# Altium PCB BTF16_2 (2).PcbDoc (part 4 of 4)
Units mm, origin at the board's own origin, x right, y up, seen from the top; angles counter-clockwise.
Board outline 150 x 212.5 mm, 4 copper layers (L1, L2, L3, L4), stack 1.606 mm thick; 313 components, 136 nets, 1767 pads, 1746 vias.
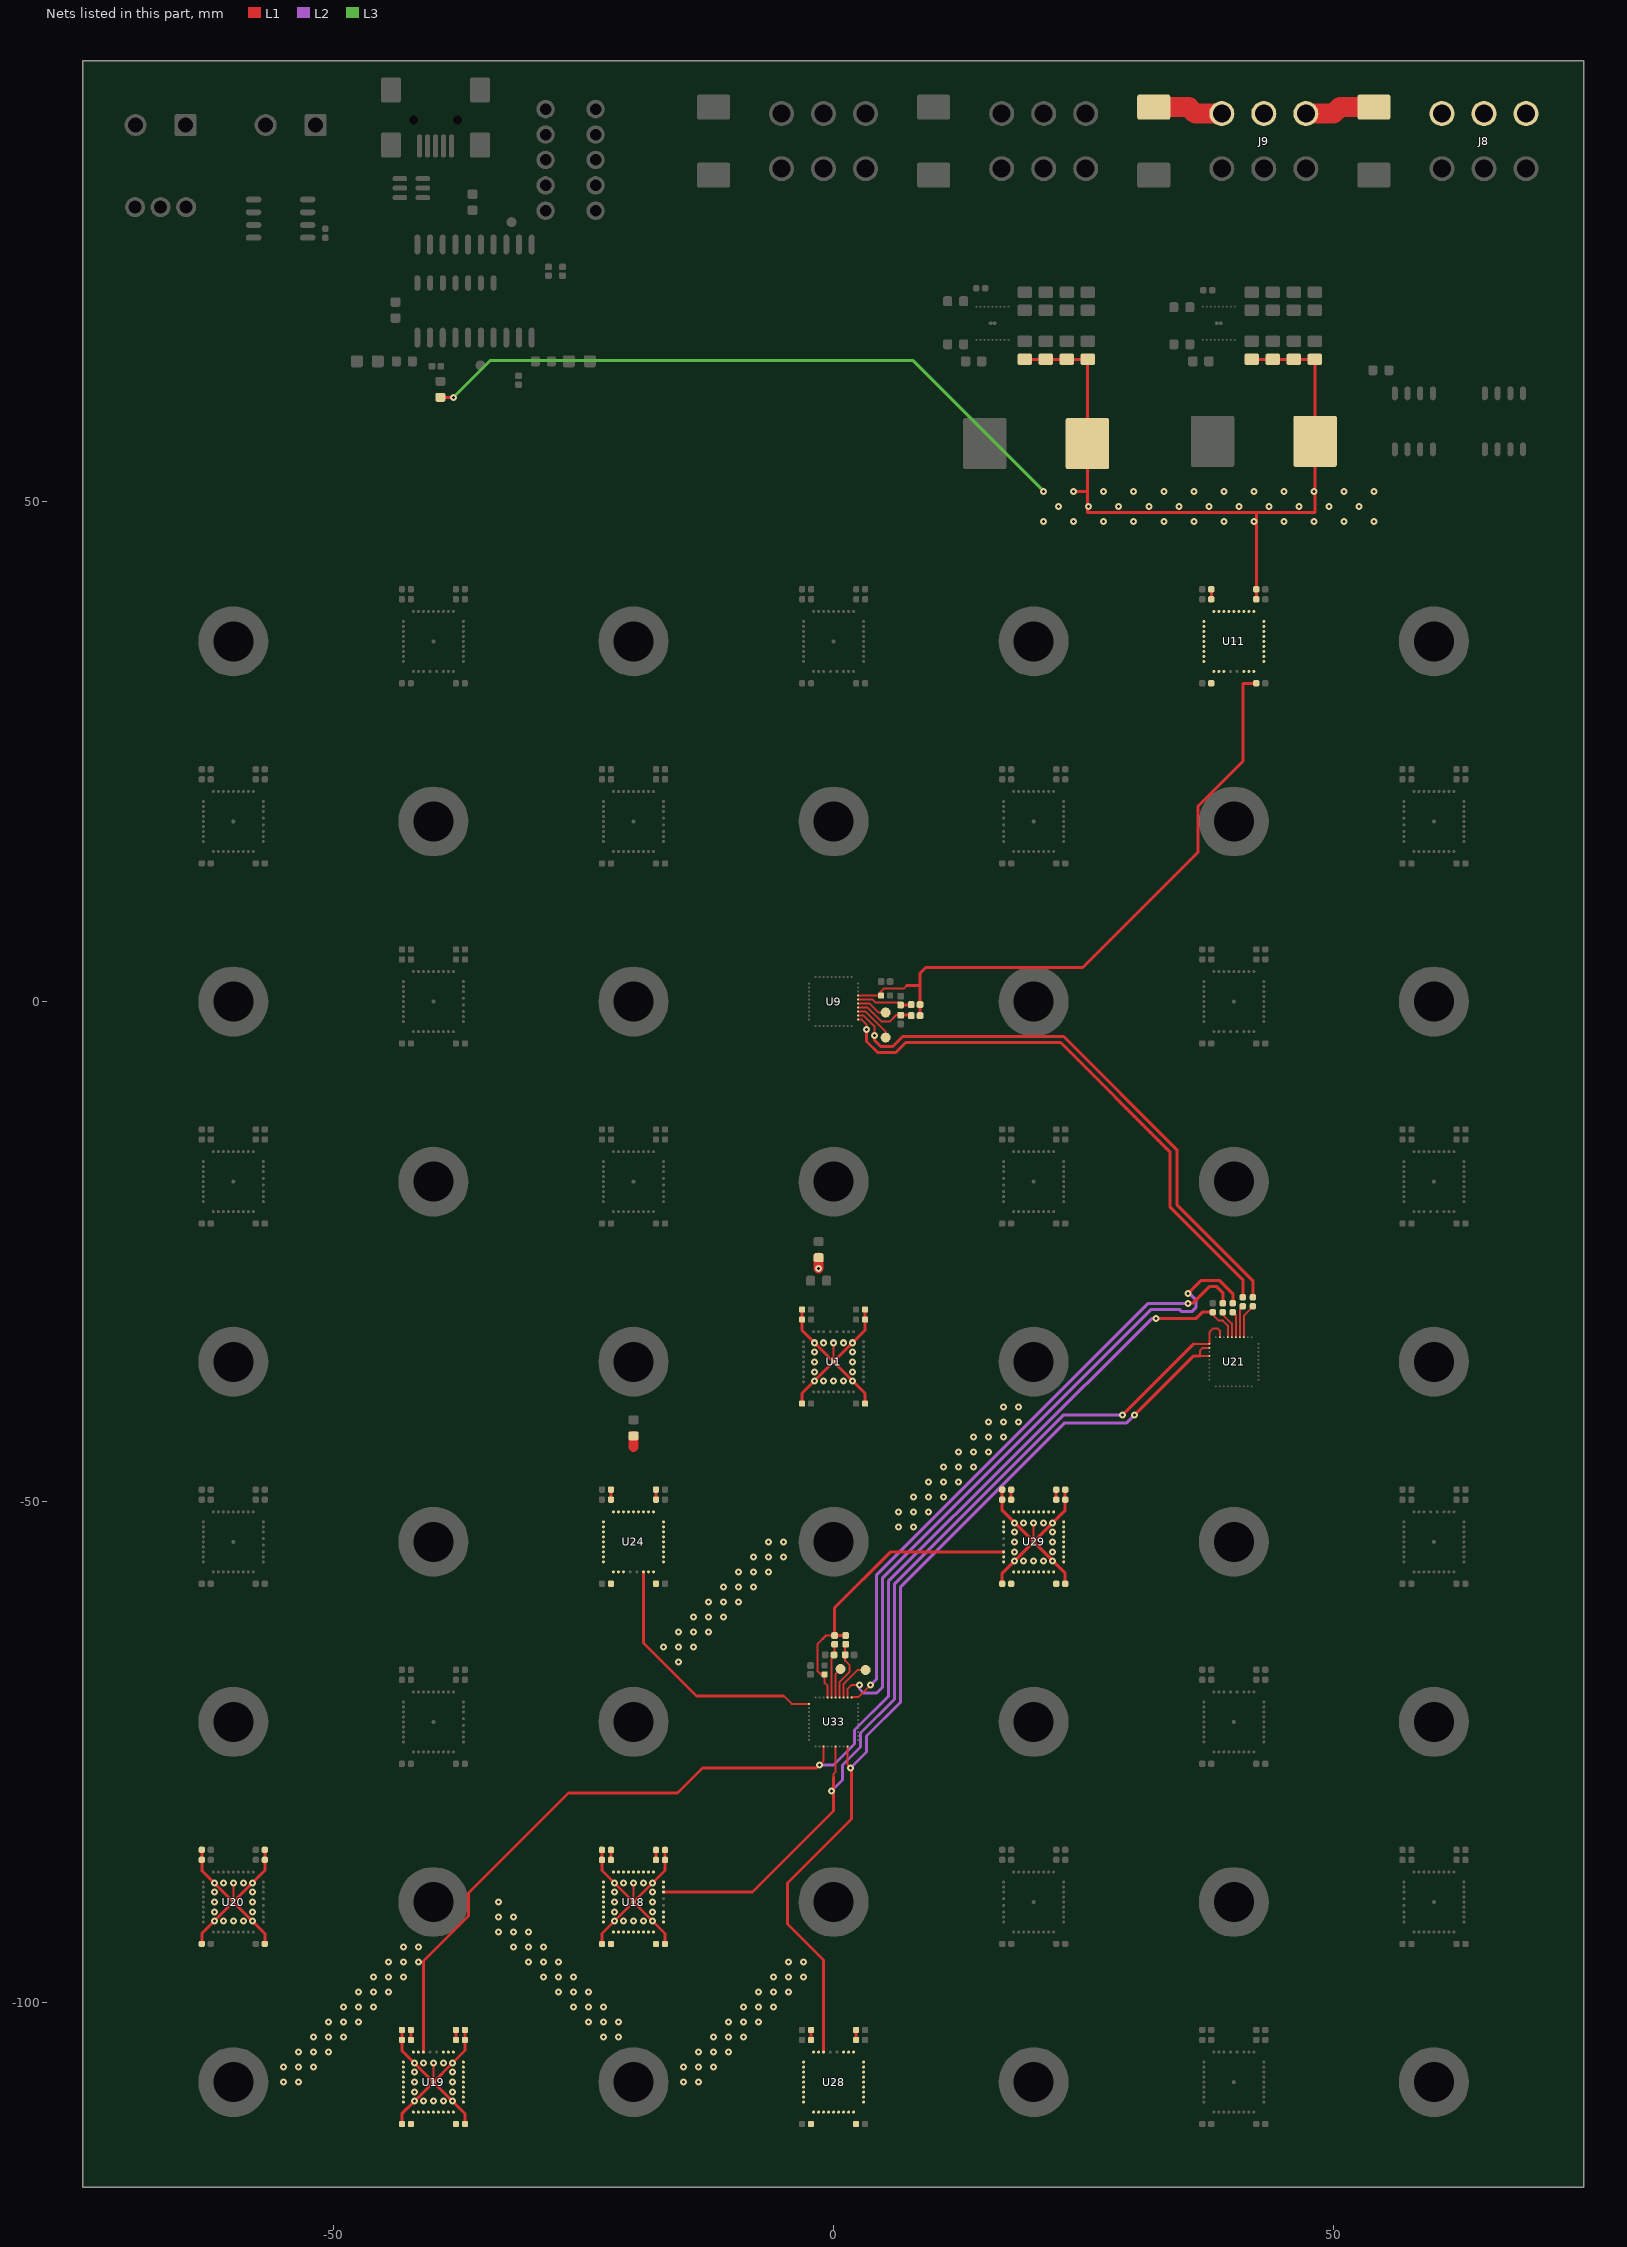
[diagram p6: the nets of this part, all layers, seen from the top]

## Via types
v1: diameter 0.7/0.7/0.7/0.7 (per signal layer), hole 0.3, L1 to L4, 1746 vias

## Nets (pads, with @x,y where several pads share a name; then routed paths per layer and width w, separated by ;. In a path a pad name is that pad's centre, name@x,y a point inside that pad or via, vN(x,y) a via of type N, cw(c..) or ccw(c..) an arc to the next point about the centre after c; other vN are vias at no path point) (continued)
PWR9: C99.2 C100.2 C101.2 C114.2 C115.2 C116.2 C148.1 C149.1 C150.1 C160.1 C161.1 C162.1 U18.36 U21.22 U21.24 U28.1 U28.2 U28.3 U28.4 U28.5 U28.6 U28.7 U28.8 U28.9 U28.10 U28.11 U28.12 U28.13 U28.14 U28.15 U28.16 U28.17 U28.18 U28.19 U28.20 U28.21 U28.24 U28.25 U28.26 U28.27 U28.28 U28.29 U28.30 U28.31 U28.32 U28.33 U28.34 U28.35 U33.39 | length 124.9
  L1 w0.2: U18.36@-20,-90 v1(-20,-88.1) ; U33.39@1.4,-74.45 1.4,-76.3 v1(1.7,-76.6) ; U21.24@37.55,-35.4 36.6,-35.4 36.6,-34.9 36.9,-34.6 U21.22@37.55,-34.6
  L1 w0.3: C99.2@-23.151,-94.184 -23.151,-93.151 v1(-21.9,-91.9) U18.36@-20,-90 ; C100.2@-23.151,-84.784 -23.151,-86.849 v1(-21.9,-88.1) U18.36@-20,-90 ; C116.2@-16.851,-94.184 -16.851,-93.149 v1(-18.1,-91.9) U18.36@-20,-90 ; C101.2@-16.851,-84.784 C114.2@-16.851,-85.784 -16.851,-86.851 v1(-18.1,-88.1) U18.36@-20,-90 ; U28.24@-1,-105 -1,-95.8 -4.6,-92.2 -4.6,-88.1 1.8,-81.7 1.8,-76.7 v1(1.7,-76.6) ; v1(30.1,-41.3) 36,-35.4 36.6,-35.4
  L1 w0.305: C161.1@-2.251,-103.784 C149.1@-2.251,-102.784 ; C160.1@2.249,-103.784 C150.1@2.249,-102.784
  L2 w0.3: v1(1.7,-76.6) 3.3,-75 3.3,-73.4 6.7,-70 6.7,-58.5 23.1,-42.1 29.3,-42.1 v1(30.1,-41.3)
  other v1: -15,-108 -13.5,-108 -15,-106.5 -13.5,-106.5 -12,-106.5 -13.5,-105 -12,-105 -10.5,-105 -12,-103.5 -10.5,-103.5 -9,-103.5 -10.5,-102 -9,-102 -7.5,-102 -9,-100.5 -7.5,-100.5 -6,-100.5 -7.5,-99 -6,-99 -4.5,-99 -6,-97.5 -4.5,-97.5 -3,-97.5 -4.5,-96 -3,-96 -21,-91.9 -20,-91.9 -19,-91.9 -21.9,-91 -18.1,-91 -21.9,-90 -18.1,-90 -21.9,-89 -18.1,-89 -21,-88.1 -19,-88.1
PWR10: C99.1 C100.1 C101.1 C102.2 C103.2 C104.2 C114.1 C115.1 C116.1 C117.2 C118.2 C119.2 U18.1 U18.2 U18.3 U18.4 U18.5 U18.6 U18.7 U18.8 U18.9 U18.10 U18.11 U18.12 U18.13 U18.14 U18.15 U18.16 U18.17 U18.18 U18.19 U18.20 U18.21 U18.24 U18.25 U18.26 U18.27 U18.28 U18.29 U18.30 U18.31 U18.32 U18.33 U18.34 U18.35 U19.36 U21.19 U21.21 U33.36 | length 122.8
  L1 w0.2: U19.36@-40,-108 v1(-40,-106.1) ; 0,-77.5 0,-77.2 0.2,-77 U33.36@0.2,-74.45 ; 36,-34.2 U21.21@37.55,-34.2 37.55,-33.05 37.9,-32.7 38.4,-32.7 38.6,-32.9 U21.19@38.6,-33.55
  L1 w0.3: C102.2@-43.151,-112.184 -43.151,-111.151 v1(-41.9,-109.9) U19.36@-40,-108 ; C103.2@-43.151,-102.784 C118.2@-43.151,-103.784 -43.151,-104.849 U19.36@-40,-108 ; C119.2@-36.851,-112.184 -36.851,-111.149 U19.36@-40,-108 ; C104.2@-36.851,-102.784 -36.851,-104.851 v1(-38.1,-106.1) U19.36@-40,-108 ; U18.24@-17,-89 -8.1,-89 0,-80.9 v1@0,-78.9 ; v1(-0.2,-78.9) v1@0,-78.9 ; 0,-77.5 v1@0,-78.9 ; v1(28.9,-41.3) 36,-34.2
  L1 w0.305: C115.1@-22.251,-85.784 C100.1@-22.251,-84.784 ; C114.1@-17.751,-85.784 C101.1@-17.751,-84.784
  L2 w0.3: v1(-0.2,-78.9) 0.9,-77.8 0.9,-76.3 2.7,-74.5 2.7,-73.1 6.1,-69.7 6.1,-58.2 23,-41.3 v1(28.9,-41.3)
  other v1: -41,-109.9 -40,-109.9 -39,-109.9 -38.1,-109.9 -41.9,-109 -38.1,-109 -41.9,-108 -38.1,-108 -41.9,-107 -38.1,-107 -41.9,-106.1 -41,-106.1 -39,-106.1 -23,-103.5 -21.5,-103.5 -24.5,-102 -23,-102 -21.5,-102 -26,-100.5 -24.5,-100.5 -23,-100.5 -27.5,-99 -26,-99 -24.5,-99 -29,-97.5 -27.5,-97.5 -26,-97.5 -30.5,-96 -29,-96 -27.5,-96 -32,-94.5 -30.5,-94.5 -29,-94.5 -33.5,-93 -32,-93 -30.5,-93 -33.5,-91.5 -32,-91.5 -33.5,-90
PWR11: C102.1 C103.1 C104.1 C105.2 C106.2 C107.2 C117.1 C118.1 C119.1 C120.1 C121.2 C122.2 C123.2 U19.1 U19.2 U19.3 U19.4 U19.5 U19.6 U19.7 U19.8 U19.9 U19.10 U19.11 U19.12 U19.13 U19.14 U19.15 U19.16 U19.17 U19.18 U19.19 U19.20 U19.21 U19.24 U19.25 U19.26 U19.27 U19.28 U19.29 U19.30 U19.31 U19.32 U19.33 U19.34 U19.35 U20.36 U21.17 U33.33 | length 157
  L1 w0.2: U20.36@-60,-90 v1(-60,-88.1) ; v1(-1.4,-76.3) -1,-75.9 U33.33@-1,-74.45 ; C120.1@37.9,-31.05 37.9,-31.3 38.5,-31.9 38.9,-31.9 39.4,-32.4 U21.17@39.4,-33.55
  L1 w0.3: C105.2@-63.151,-94.184 -63.151,-93.151 U20.36@-60,-90 ; C106.2@-63.151,-84.784 C122.2@-63.151,-85.784 -63.151,-86.849 v1(-61.9,-88.1) U20.36@-60,-90 ; C123.2@-56.851,-94.184 -56.851,-93.149 v1(-58.1,-91.9) U20.36@-60,-90 ; C107.2@-56.851,-84.784 C121.2@-56.851,-85.784 -56.851,-86.851 U20.36@-60,-90 ; U19.24@-41,-105 -41,-95.9 -36.5,-91.4 -36.5,-89.1 -26.5,-79.1 -15.6,-79.1 -13.1,-76.6 -1.7,-76.6 v1(-1.4,-76.3) ; v1(32.2,-31.7) 36.2,-31.7 36.85,-31.05 C120.1@37.9,-31.05
  L1 w0.305: C118.1@-42.251,-103.784 C103.1@-42.251,-102.784 ; C117.1@-37.751,-103.784 C104.1@-37.751,-102.784
  L2 w0.3: v1(-1.4,-76.3) 0,-76.3 2.1,-74.2 2.1,-72.8 5.5,-69.4 5.5,-57.9 31.8,-31.7 v1(32.2,-31.7)
  other v1: -55,-108 -53.5,-108 -55,-106.5 -53.5,-106.5 -52,-106.5 -53.5,-105 -52,-105 -50.5,-105 -52,-103.5 -50.5,-103.5 -49,-103.5 -50.5,-102 -49,-102 -47.5,-102 -49,-100.5 -47.5,-100.5 -46,-100.5 -47.5,-99 -46,-99 -44.5,-99 -46,-97.5 -44.5,-97.5 -43,-97.5 -44.5,-96 -43,-96 -41.5,-96 -43,-94.5 -41.5,-94.5 -61.9,-91.9 -61,-91.9 -60,-91.9 -59,-91.9 -61.9,-91 -58.1,-91 -61.9,-90 -58.1,-90 -61.9,-89 -58.1,-89 -61,-88.1 -59,-88.1 -58.1,-88.1
PWR15: C130.1 C131.1 C132.1 C133.2 C134.2 C135.2 C163.1 C164.1 C165.1 C166.2 C167.2 C168.2 R25.1 U24.1 U24.2 U24.3 U24.4 U24.5 U24.6 U24.7 U24.8 U24.9 U24.10 U24.11 U24.12 U24.13 U24.14 U24.15 U24.16 U24.17 U24.18 U24.19 U24.20 U24.21 U24.24 U24.25 U24.26 U24.27 U24.28 U24.29 U24.30 U24.31 U24.32 U24.33 U24.34 U24.35 U29.36 U33.21 | length 55.2
  L1 w0.2: -5,-69.4 -4.2,-70.2 U33.21@-2.45,-70.2 ; U29.36@20,-54 v1(20,-52.1)
  L1 w0.3: U24.24@-19,-57 -19,-64.1 -13.7,-69.4 -5,-69.4 ; C133.2@16.849,-58.184 16.849,-57.151 v1(18.1,-55.9) U29.36@20,-54 ; C134.2@16.849,-48.784 C167.2@16.849,-49.784 16.849,-50.849 U29.36@20,-54 ; C168.2@23.149,-58.184 23.149,-57.149 U29.36@20,-54 ; C135.2@23.149,-48.784 C166.2@23.149,-49.784 23.149,-50.851 v1(21.9,-52.1) U29.36@20,-54
  L1 w0.305: C164.1@-22.251,-49.784 C131.1@-22.251,-48.784 ; C163.1@-17.751,-49.784 C132.1@-17.751,-48.784
  L1 w1: -20,-44.5 R25.1@-20,-43.4
  other v1: -15.5,-66 -17,-64.5 -15.5,-64.5 -14,-64.5 -15.5,-63 -14,-63 -12.5,-63 -14,-61.5 -12.5,-61.5 -11,-61.5 -12.5,-60 -11,-60 -9.5,-60 -11,-58.5 -9.5,-58.5 -8,-58.5 -9.5,-57 -8,-57 -6.5,-57 19,-55.9 20,-55.9 21,-55.9 21.9,-55.9 -8,-55.5 -6.5,-55.5 -5,-55.5 18.1,-55 21.9,-55 -6.5,-54 -5,-54 18.1,-54 21.9,-54 18.1,-53 21.9,-53 18.1,-52.1 19,-52.1 21,-52.1
PWR16: C1.2 C2.2 C3.2 C13.2 C14.2 C15.2 C133.1 C134.1 C135.1 C166.1 C167.1 C168.1 C187.1 R6.2 R7.2 R24.2 U1.36 U29.1 U29.2 U29.3 U29.4 U29.5 U29.6 U29.7 U29.8 U29.9 U29.10 U29.11 U29.12 U29.13 U29.14 U29.15 U29.16 U29.17 U29.18 U29.19 U29.20 U29.21 U29.24 U29.25 U29.26 U29.27 U29.28 U29.29 U29.30 U29.31 U29.32 U29.33 U29.34 U29.35 U33.17 | length 60.1
  L1 w0.2: U33.17@-0.6,-69.55 -0.6,-68.4 -0.9,-68.1 C187.1@-0.9,-67.25 -1.3,-67.25 -1.6,-66.95 -1.6,-64.2 -0.76,-63.36 R6.2@0.1,-63.36 ; U1.36@0,-36 v1(0,-34.1)
  L1 w0.3: C1.2@-3.151,-40.184 -3.151,-39.151 v1(-1.9,-37.9) U1.36@0,-36 ; C2.2@-3.151,-30.784 -3.151,-32.849 U1.36@0,-36 ; R7.2@1.2,-63.36 R6.2@0.1,-63.36 0.1,-60.6 5.7,-55 U29.24@17,-55 ; C15.2@3.149,-40.184 3.149,-39.149 U1.36@0,-36 ; C3.2@3.149,-30.784 C13.2@3.149,-31.784 3.149,-32.851 v1(1.9,-34.1) U1.36@0,-36
  L1 w0.305: C167.1@17.749,-49.784 C134.1@17.749,-48.784 ; C166.1@22.249,-49.784 C135.1@22.249,-48.784
  L1 w1: v1(-1.5,-26.7) R24.2@-1.5,-25.6
  other v1: 6.5,-52.5 8,-52.5 6.5,-51 8,-51 9.5,-51 8,-49.5 9.5,-49.5 11,-49.5 9.5,-48 11,-48 12.5,-48 11,-46.5 12.5,-46.5 14,-46.5 12.5,-45 14,-45 15.5,-45 14,-43.5 15.5,-43.5 17,-43.5 15.5,-42 17,-42 18.5,-42 17,-40.5 18.5,-40.5 -1,-37.9 0,-37.9 1,-37.9 1.9,-37.9 -1.9,-37 1.9,-37 -1.9,-36 1.9,-36 -1.9,-35 1.9,-35 -1.9,-34.1 -1,-34.1 1,-34.1
RX0_2: C70.1 U33.12 | length 67.3
  L1 w0.2: U33.12@1.4,-69.55 1.4,-68.7 1.8,-68.3 v1(2.6,-68.3)
  L1 w0.3: v1(35.4,-29.2) 36.7,-27.9 38.6,-27.9 39.9,-29.2 C70.1@39.9,-30.15
  L2 w0.3: v1(2.6,-68.3) 2.6,-68.7 3,-69.1 4.3,-69.1 4.9,-68.5 4.9,-57.6 31.7,-30.8 34.6,-30.8 34.8,-31 35.8,-31 36.2,-30.6 36.2,-29.8 35.6,-29.2 v1(35.4,-29.2)
RX0_3: C68.1 U9.12 | length 56.9
  L1 w0.2: U9.12@2.45,-1.4 3,-1.4 4.1,-2.5 v1(4.1,-3.4)
  L1 w0.3: v1(4.1,-3.4) 4.1,-3.9 4.7,-4.5 5.9,-4.5 6.9,-3.5 23,-3.5 34.3,-14.8 34.3,-20.3 41.9,-27.9 C68.1@41.9,-29.55
RX1_1: C69.2 U21.14 | length 3.2
  L1 w0.2: U21.14@40.6,-33.55 40.6,-30.747 40.897,-30.45 C69.2@40.9,-30.45
RX1_2: R7.1 R10.1 U33.14 | length 5.9
  L1 w0.2: U33.14@0.6,-69.55 0.6,-68 1.6,-67 1.6,-66.34 1.16,-65.9 1.16,-64.28 R7.1@1.2,-64.24
RX1_3: R2.1 R5.1 U9.14 | length 6.2
  L1 w0.2: U9.14@2.45,-0.6 3.4,-0.6 4.8,-2 5.6,-2 6.24,-1.36 R5.1@6.7,-1.36
  L1 w0.3: R5.1@6.7,-1.36 7.72,-1.36 R2.1@7.76,-1.4
RX2_1: C71.2 U21.16 | length 2.9
  L1 w0.2: C71.2@38.9,-31.05 38.9,-31.3 39.8,-32.2 U21.16@39.8,-33.55
RX2_2: R6.1 R9.1 U33.16 | length 5.5
  L1 w0.2: U33.16@-0.2,-69.55 -0.2,-65.6 R9.1@0.1,-65.3 ; R9.1@0.04,-65.3 R9.1@0.1,-65.3 ; R6.1@0.1,-64.24 R9.1@0.1,-65.3
RX2_3: R1.1 R4.1 U9.16 | length 5.6
  L1 w0.2: U9.16@2.45,0.2 3.9,0.2 4.2,-0.1 6.497,-0.1 6.719,-0.321 R4.1@6.737,-0.34
  L1 w0.3: R4.1@6.7,-0.34 6.737,-0.34 7.661,-0.34 7.699,-0.302 7.7,-0.302 R1.1@7.76,-0.3
TX0_2: C71.1 U33.11 | length 61.6
  L1 w0.2: U33.11@1.8,-69.55 1.8,-69.5 2.5,-69.5 v1(3.7,-68.3)
  L1 w0.3: v1(35.4,-30.2) 35.4,-30.15 35.9,-30.15 37.55,-28.5 38.3,-28.5 38.9,-29.1 C71.1@38.9,-30.15
  L2 w0.3: v1(3.7,-68.3) 4.3,-67.7 4.3,-57.3 31.4,-30.2 v1(35.4,-30.2)
TX0_3: C69.1 U9.11 | length 56
  L1 w0.2: U9.11@2.45,-1.8 2.8,-1.8 3.3,-2.3 v1(3.3,-2.8)
  L1 w0.3: v1(3.3,-2.8) 3.3,-4 4.4,-5.1 6.2,-5.1 7.2,-4.1 22.7,-4.1 33.6,-15 33.6,-20.5 40.9,-27.8 C69.1@40.9,-29.55
TX1_1: C68.2 U21.13 | length 3.5
  L1 w0.2: U21.13@41,-33.55 41,-31.4 41.9,-30.5 C68.2@41.9,-30.45
TX1_2: TP3.1 U33.13 | length 4.1
  L1 w0.2: U33.13@1,-69.55 1,-68.2 2.4,-66.8 TP3.1@3.2,-66.8
TX1_3: TP1.1 U9.13 | length 4.2
  L1 w0.2: U9.13@2.45,-1 3.2,-1 5.2,-3 TP1.1@5.2,-3.6
TX2_1: C70.2 U21.15 | length 2.6
  L1 w0.2: C70.2@39.9,-31.05 40.2,-31.35 U21.15@40.2,-33.55
TX2_2: TP4.1 U33.15 | length 3.1
  L1 w0.2: U33.15@0.2,-69.55 0.2,-67.2 TP4.1@0.7,-66.7
TX2_3: TP2.1 U9.15 | length 3.1
  L1 w0.2: U9.15@2.45,-0.2 3.6,-0.2 4.5,-1.1 TP2.1@5.2,-1.1
VCC: C49.1 C56.1 C57.1 C58.1 C65.1 C66.1 C67.1 C211.1 C212.1 C213.1 C214.1 C221.1 C222.1 C223.1 C224.1 D5.1 D6.1 J8.1 J8.2 J8.3 J9.1 J9.2 J9.3 L1.1 L2.1 R1.2 R2.2 R11.1 U9.17 U11.1 U11.2 U11.3 U11.4 U11.5 U11.6 U11.7 U11.8 U11.9 U11.10 U11.11 U11.12 U11.13 U11.14 U11.15 U11.16 U11.17 U11.18 U11.19 U11.20 U11.21 U11.24 U11.25 U11.26 U11.27 U11.28 U11.29 U11.30 U11.31 U11.32 U11.33 U11.34 U11.35 | length 222.4
  L1 w0.2: U9.17@2.45,0.6 C49.1@4.7,0.6 ; C49.1@4.75,0.6 C49.1@4.7,0.6 ; 7.3,1.6 7,1.3 5,1.3 4.7,1 C49.1@4.7,0.6
  L1 w0.3: R11.1@-39.3,60.4 v1(-38,60.4) ; 7.3,1.6 8.64,1.6 ; R2.2@8.64,-1.4 R1.2@8.64,-0.3 8.64,1.6 ; C222.1@19.1,64.2 C223.1@21.2,64.2 C221.1@23.3,64.2 C224.1@25.4,64.2 25.367,64.167 L2.1@25.367,55.771 25.367,51 ; v1(24,51) 25.367,51 ; C212.1@41.8,64.2 C213.1@43.9,64.2 C211.1@46,64.2 C214.1@48.1,64.2 48.1,56.025 L1.1@48.125,56 48.125,48.9 42.249,48.9 ; C67.1@42.249,31.816 40.9,31.816 40.9,24 36.4,19.5 36.4,14.9 24.9,3.4 9.2,3.4 8.64,2.84 8.64,1.6 ; C58.1@42.249,41.216 42.249,48.9 ; 25.367,51 25.367,48.9 42.249,48.9
  L1 w0.305: C66.1@37.749,40.216 C57.1@37.749,41.216 ; C65.1@42.249,40.216 C58.1@42.249,41.216
  L1 w2: D5.1@32,89.4 35.5,89.4 36.15,88.75 J9.1@38.8,88.75 ; J9.3@47.2,88.75 49.95,88.75 50.6,89.4 D6.1@54,89.4
  L3 w0.3: v1(-38,60.4) -34.3,64.1 7.9,64.1 v1(21,51)
  other v1: 21,48 24,48 27,48 30,48 33,48 36,48 39,48 42,48 45,48 48,48 51,48 54,48 22.5,49.5 25.5,49.5 28.5,49.5 31.5,49.5 34.5,49.5 37.5,49.5 40.5,49.5 43.5,49.5 46.5,49.5 49.5,49.5 52.5,49.5 27,51 30,51 33,51 36,51 39,51 42,51 45,51 48,51 51,51 54,51
pads on no net: J3.10 J3.11 J10.1 J11.1 J12.1 J13.1 J14.1 J15.1 J16.1 J17.1 J18.1 J19.1 J20.1 J21.1 J22.1 J23.1 J24.1 J25.1 J26.1 J27.1 J28.1 J29.1 J30.1 J31.1 J32.1 J33.1 J34.1 J35.1 J36.1 J37.1 J38.1 J39.1 J40.1 J41.1 U21.20 U21.23 U21.26 U21.29 U21.32 U21.35

## Polygon pours and split planes (outlines as drawn)
GND on L3 "L3-GND" (solid, remove dead copper, pour order 345): -78,97.5 78,97.5 78,36 -78,36
$1I80\PWR19 on L3 "L3-$1I80\PWR19" (solid, remove dead copper, pour order 327): -44.333,-21.9 -68.667,0 -78,0 -78,-36 -60,-36
$1I70\PWR3 on L3 "L3-$1I70\PWR3" (solid, remove dead copper, pour order 334): 69,-72 44.5,-49.95 60,-36 67,-29 78,-29 78,-72
PWR10 on L3 "L3-PWR10" (solid, remove dead copper, pour order 335): -36,-86.4 -60,-108 -60,-118.8 -20.1,-118.8 -20.1,-108 -16.04,-104.364
PWR11 on L3 "L3-PWR11" (solid, remove dead copper, pour order 324): -44.333,-93.9 -68.667,-72 -78,-72 -78,-108 -60,-108
PWR6 on L3 "L3-PWR6" (solid, remove dead copper, pour order 336): 44,-86.4 20,-108 20,-118.8 59.9,-118.8 59.9,-108 63.96,-104.364
$1I70\PWR4 on L3 "L3-$1I70\PWR4" (solid, remove dead copper, pour order 333): 20,-72 40,-90 64.167,-68.25 44.167,-50.25
$1I80\PWR18 on L3 "L3-$1I80\PWR18" (solid, remove dead copper, pour order 342): -40,-18 0,18 23.917,-3.525 3.917,-21.525 0,-18 -20,-36
$1I80\PWR24 on L3 "L3-$1I80\PWR24" (solid, remove dead copper, pour order 338): -4,14.4 20,36 20,46.8 -19.9,46.8 -19.9,36 -23.96,32.364
$1I80\PWR20 on L3 "L3-$1I80\PWR20" (solid, remove dead copper, pour order 331): -44,-21.6 -20,0 -40,18 -59.9,0 -63.96,-3.636
$1I80\PWR22 on L3 "L3-$1I80\PWR22" (solid, remove dead copper, pour order 320): -44,14.4 -20,36 -20,46.8 -59.9,46.8 -59.9,36 -63.96,32.364
$1I80\PWR21 on L3 "L3-$1I80\PWR21" (solid, remove dead copper, pour order 326): -44.333,14.1 -68.667,36 -78,36 -78,0 -60,0
$1I80\PWR17 on L3 "L3-$1I80\PWR17" (solid, remove dead copper, pour order 323): 4.056,-21.65 24.056,-3.65 40,-18 20,-36
PWR5 on L3 "L3-PWR5" (solid, remove dead copper, pour order 328): 60,-72 76.9,-72 76.9,-108 60,-108 60,-100.9 43.944,-86.45
PWR0 on L3 "L3-PWR0" (solid, remove dead copper, pour order 343): 60,36 44.278,21.85 60,7.7 60,0 20,-36 40,-54 60,-36 67,-29 78,-29 78,36
$1I70\PWR1 on L3 "L3-$1I70\PWR1" (solid, remove dead copper, pour order 330): 20,0 40,-18 60,0 60,7.6 44.3,21.8 40,18
$1I80\PWR25 on L3 "L3-$1I80\PWR25" (solid, remove dead copper, pour order 322): 15.939,32.345 35.939,14.345 20,0 0,18
$1I80\PWR26 on L3 "L3-$1I80\PWR26" (solid, remove dead copper, pour order 339): 36,14.4 60,36 60,46.8 20.1,46.8 20.1,36 16.04,32.364
PWR15 on L3 "L3-PWR15" (solid, remove dead copper, pour order 341): 23.667,-39.3 40,-54 0,-90 -24.167,-68.25 -4.167,-50.25 3.667,-57.3
PWR7 on L3 "L3-PWR7" (solid, remove dead copper, pour order 319): 4.222,-86.2 20,-72 40,-90 24.222,-104.2
$1I75\PWR12 on L3 "L3-$1I75\PWR12" (solid, remove dead copper, pour order 332): -44,-93.6 -20,-72 -40,-54 -59.9,-72 -63.96,-75.636
PWR9 on L3 "L3-PWR9" (solid, remove dead copper, pour order 318): -35.778,-86.2 -20,-72 0,-90 -15.778,-104.2
PWR0 on L3 "L3-PWR0 1" (solid, remove dead copper, pour order 317): 55.3,59.4 55.3,47.2 60.4,47.2 60.4,32.7 76.6,32.7 76.6,59.4
12V on L3 "L3-12V" (solid, remove dead copper, pour order 344): -9.3,97.4 78.4,97.4 78.4,67.8 -9.3,67.8
$1I80\PWR23 on L3 "L3-$1I80\PWR23" (solid, remove dead copper, pour order 321): -24.061,32.345 -4.061,14.345 -20,0 -40,18
$1I75\PWR13 on L3 "L3-$1I75\PWR13" (solid, remove dead copper, pour order 325): -44.333,-57.9 -68.667,-36 -78,-36 -78,-72 -60,-72
$1I75\PWR14 on L3 "L3-$1I75\PWR14" (solid, remove dead copper, pour order 340): -24,-68.4 -40,-54 -44.5,-58.05 -64.5,-40.05 -40,-18 -4,-50.4
PWR16 on L3 "L3-PWR16" (solid, remove dead copper, pour order 329): -20,-36 0,-18 23.5,-39.15 3.5,-57.15
PWR8 on L3 "L3-PWR8" (solid, remove dead copper, pour order 337): 4,-86.4 -20,-108 -20,-118.8 19.9,-118.8 19.9,-108 23.96,-104.364
$1I80\PWR19 on L2 "L2-$1I80\PWR19" (solid, remove dead copper, pour order 315): -40,-54 -15.778,-32.2 -35.778,-14.2 -40,-18 -60,0 -79,0 -79,-36 -60,-36
PWR5 on L2 "L2-PWR5" (solid, remove dead copper, pour order 309): 35.556,-86 55.556,-68 60,-72 78,-72 78,-108 60,-108
$1I80\PWR22 on L2 "L2-$1I80\PWR22" (solid, remove dead copper, pour order 303): -19.9,46.9 -19.9,36 -40,18 -60,36 -60,46.9
$1I75\PWR12 on L2 "L2-$1I75\PWR12" (solid, remove dead copper, pour order 290): -40,-90 -20,-72 -35.389,-58.15 -55.389,-76.15
PWR7 on L2 "L2-PWR7" (solid, remove dead copper, pour order 305): 0,-90 20,-72 44.167,-93.75 24.167,-111.75
$1I80\PWR24 on L2 "L2-$1I80\PWR24" (solid, remove dead copper, pour order 300): 20.1,46.9 20.1,36 0,18 -20,36 -20,46.9
$1I75\PWR13 on L2 "L2-$1I75\PWR13" (solid, remove dead copper, pour order 312): -35.556,-58 -55.556,-76 -60,-72 -79,-72 -79,-36 -60,-36
$1I80\PWR21 on L2 "L2-$1I80\PWR21" (solid, remove dead copper, pour order 311): -35.556,14 -55.556,-4 -60,0 -79,0 -79,36 -60,36
$1I70\PWR2 on L2 "L2-$1I70\PWR2" (solid, remove dead copper, pour order 307): 36.167,-14.55 56.167,3.45 60,0 78,0 78,-28.9 67.1,-28.9 60,-36
$1I80\PWR20 on L2 "L2-$1I80\PWR20" (solid, remove dead copper, pour order 291): -35.444,13.9 -20,0 -40,-18 -55.444,-4.1
GND_M3 on L2 "L2-GND_M3" (solid, remove dead copper, pour order 298): 0,18 -20,0 -5,-13.6 -5,-23.9 0,-23.9 0,-18 20,0 0.141,18
$1I70\PWR3 on L2 "L2-$1I70\PWR3" (solid, remove dead copper, pour order 308): 60,-72 40,-54 60,-36 67,-29 78,-29 78,-72
PWR11 on L2 "L2-PWR11" (solid, remove dead copper, pour order 310): -35.722,-93.85 -55.722,-111.85 -60,-108 -79,-108 -79,-72 -60,-72
GND on L2 "L2-GND" (solid, remove dead copper, pour order 316): -79,96.8 81.3,96.8 81.3,36 -79,36
$1I80\PWR17 on L2 "L2-$1I80\PWR17" (solid, remove dead copper, pour order 304): 16,-39.6 40,-18 20,0 0.1,-18 0.1,-24.1
PWR8 on L2 "L2-PWR8" (solid, remove dead copper, pour order 295): -19.7,-118.45 -19.7,-115.164 4.134,-93.82 20.05,-108.145 20.05,-118.45
$1I70\PWR1 on L2 "L2-$1I70\PWR1" (solid, remove dead copper, pour order 292): 40,18 20,0 36.117,-14.505 56.13,3.507 40.141,18
$1I80\PWR26 on L2 "L2-$1I80\PWR26" (solid, remove dead copper, pour order 301): 60.1,46.9 60.1,36 40,18 20,36 20,46.9
PWR0 on L2 "L2-PWR0" (solid, remove dead copper, pour order 313): 55.3,59.4 55.3,47.2 60,47.2 60,36 40,18 60.4,0 78,0 78,59.4
PWR16 on L2 "L2-PWR16" (solid, remove dead copper, pour order 288): -17.86,-37.926 0,-54 15.941,-39.852 -0.113,-24.2 -4.228,-24.2
PWR6 on L2 "L2-PWR6" (solid, remove dead copper, pour order 294): 20.4,-118.45 20.4,-115.075 44.117,-93.835 60.05,-108.175 60.05,-118.45
$1I80\PWR18 on L2 "L2-$1I80\PWR18" (solid, remove dead copper, pour order 289): -20,0 -35.556,-14 -21.05,-27.055 -15.287,-32.313 -5.475,-22.5 -5.475,-13.037 -19.859,0
$1I80\PWR23 on L2 "L2-$1I80\PWR23" (solid, remove dead copper, pour order 302): -20,0 -43.917,21.525 -23.917,39.525 0,18
PWR9 on L2 "L2-PWR9" (solid, remove dead copper, pour order 306): -40,-90 -20,-72 4.222,-93.8 -15.778,-111.8
PWR0 on L2 "L2-PWR0 1" (solid, remove dead copper, pour order 297): 40,-18 20,-36 40,-54 60,-36 40.141,-18
PWR5 on L2 "L2-PWR5 1" (solid, remove dead copper, pour order 314): 20,-36 43.944,-57.55 23.944,-75.55 20,-72 0,-90 -20,-72
$1I70\PWR4 on L2 "L2-$1I70\PWR4" (solid, remove dead copper, pour order 287): 23.944,-75.55 43.944,-57.55 55.556,-68 35.556,-86
PWR10 on L2 "L2-PWR10" (solid, remove dead copper, pour order 293): -60.05,-118.45 -60.05,-115.582 -35.802,-93.868 -19.95,-108.135 -19.95,-118.45
$1I80\PWR25 on L2 "L2-$1I80\PWR25" (solid, remove dead copper, pour order 299): 20,0 -4.25,21.825 15.75,39.825 40,18
$1I75\PWR14 on L2 "L2-$1I75\PWR14" (solid, remove dead copper, pour order 296): -20,-36 -40,-54 -20,-72 0,-54 -19.859,-36
$1I80\PWR19 on L1 "L1-$1I80\PWR19" (solid, remove dead copper, pour order 269): -20,0 -40,-18 -20,-36 0,-18 -19.859,0
$1I80\PWR25 on L1 "L1-$1I80\PWR25" (solid, remove dead copper, pour order 272): 20.1,46.9 20.1,36 0,18 -20,36 -20,46.9
$1I70\PWR1 on L1 "L1-$1I70\PWR1" (solid, remove dead copper, pour order 280): 40.038,17.9 60.038,-0.1 78.038,-0.1 78.038,35.9 60.038,35.9
VCC on L1 "L1-VCC" (solid, remove dead copper, pour order 258): 20.3,44 20.3,60.2 18.3,62.2 18.3,64.8 50.2,64.8 55,60 55,44
12V on L1 "L1-12V" (solid, remove dead copper, pour order 254): 15.5,69 15.5,75.5 26.5,75.5 26.5,70.3 18.3,70.3 17.7,69.7 17.7,69
$1I75\PWR13 on L1 "L1-$1I75\PWR13" (solid, remove dead copper, pour order 265): -40,-54 -60,-72 -40,-90 -20,-72 -39.859,-54
PWR15 on L1 "L1-PWR15" (solid, remove dead copper, pour order 262): -20,-36 -40,-54 -20,-72 0,-54 -19.859,-36
PWR11 on L1 "L1-PWR11" (solid, remove dead copper, pour order 275): -60.1,-118.9 -60.1,-108 -40,-90 -20,-108 -20,-118.9
PWR10 on L1 "L1-PWR10" (solid, remove dead copper, pour order 263): -20,-72 -40,-90 -20,-108 0,-90 -19.859,-72
$1I70\PWR2 on L1 "L1-$1I70\PWR2" (solid, remove dead copper, pour order 270): 40,18 20,0 40,-18 60,0 40.141,18
$1I75\PWR14 on L1 "L1-$1I75\PWR14" (solid, remove dead copper, pour order 279): -40,-54 -60,-36 -78,-36 -78,-72 -60,-72
PWR16 on L1 "L1-PWR16" (solid, remove dead copper, pour order 267): 20,-36 0,-54 20,-72 40,-54 20.141,-36
$1I80\PWR24 on L1 "L1-$1I80\PWR24" (solid, remove dead copper, pour order 259): -20,36 0,18 -20,0 -40,18
$1I569\$1N1036 on L1 "L1-$1I569\$1N1036" (solid, remove dead copper, pour order 256): 38.4,66.6 38.4,62.9 35.4,59.9 35.4,53 42.7,53 42.7,60 40.95,61.75 40.95,66.6
PWR9 on L1 "L1-PWR9" (solid, remove dead copper, pour order 277): -20.1,-118.9 -20.1,-108 0,-90 20,-108 20,-118.9
$1I70\PWR4 on L1 "L1-$1I70\PWR4" (solid, remove dead copper, pour order 282): 40.038,-54.1 60.038,-72.1 78.038,-72.1 78.038,-36.1 60.038,-36.1
$1I80\PWR21 on L1 "L1-$1I80\PWR21" (solid, remove dead copper, pour order 260): -40,18 -20,0 -40,-18 -60,0
$1I80\PWR23 on L1 "L1-$1I80\PWR23" (solid, remove dead copper, pour order 273): -19.9,46.9 -19.9,36 -40,18 -60,36 -60,46.9
PWR0 on L1 "L1-PWR0" (solid, remove dead copper, pour order 257): 55.3,59.4 55.3,47.2 60.4,47.2 60.4,36.2 76.6,36.2 76.6,59.4
$1I80\PWR22 on L1 "L1-$1I80\PWR22" (solid, remove dead copper, pour order 283): -40,18 -60,36 -78,36 -78,0 -60,0
PWR7 on L1 "L1-PWR7" (solid, remove dead copper, pour order 276): 19.9,-118.9 19.9,-108 40,-90 60,-108 60,-118.9
$1I80\PWR26 on L1 "L1-$1I80\PWR26" (solid, remove dead copper, pour order 266): 20,36 0,18 20,0 40,18 20.141,36
PWR5 on L1 "L1-PWR5" (solid, remove dead copper, pour order 264): 40,-54 20,-72 40,-90 60,-72 40.141,-54
PWR6 on L1 "L1-PWR6" (solid, remove dead copper, pour order 281): 40.038,-90.1 60.038,-108.1 78.038,-108.1 78.038,-72.1 60.038,-72.1
VCC on L1 "L1-VCC 1" (solid, remove dead copper, pour order 274): 60.1,46.9 60.1,36 40,18 20,36 20,46.9
$1I80\PWR20 on L1 "L1-$1I80\PWR20" (solid, remove dead copper, pour order 284): -40,-18 -60,0 -78,0 -78,-36 -60,-36
12V on L1 "L1-12V 1" (solid, remove dead copper, pour order 253): 38.4,69 38.4,75.5 49.1,75.5 49.1,70.3 40.9,70.3 40.3,69.7 40.3,69
PWR8 on L1 "L1-PWR8" (solid, remove dead copper, pour order 268): 20,-72 0,-90 20,-108 40,-90 20.141,-72
$1I75\PWR12 on L1 "L1-$1I75\PWR12" (solid, remove dead copper, pour order 278): -40,-90 -60,-72 -78,-72 -78,-108 -60,-108
GND on L1 "L1-GND" (solid, remove dead copper, pour order 286): -78,97.5 78,97.5 78,36 -78,36
$1I80\PWR18 on L1 "L1-$1I80\PWR18" (solid, remove dead copper, pour order 271): 20,0 0,-18 20,-36 40,-18 20.141,0
$1I569\$1N1039 on L1 "L1-$1I569\$1N1039" (solid, remove dead copper, pour order 255): 15.7,66.6 15.7,62.9 12.7,59.9 12.7,53 20,53 20,60 18.25,61.75 18.25,66.6
$1I80\PWR17 on L1 "L1-$1I80\PWR17" (solid, remove dead copper, pour order 261): 0,-18 -20,-36 0,-54 20,-36 0.141,-18
$1I70\PWR3 on L1 "L1-$1I70\PWR3" (solid, remove dead copper, pour order 285): 40.038,-18.1 60.038,-36.1 78.038,-36.1 78.038,-0.1 60.038,-0.1
$1I70\PWR1 on L4 "L4-$1I70\PWR1" (solid, remove dead copper, pour order 360): 40,18 20,0 40,-18 60,0 40.141,18
$1I80\PWR19 on L4 "L4-$1I80\PWR19" (solid, remove dead copper, pour order 362): -41.722,-16.45 -20,-36 -40,-54 -61.722,-34.45
$1I80\PWR26 on L4 "L4-$1I80\PWR26" (solid, remove dead copper, pour order 366): 60.1,46.9 60.1,36 40,18 20,36 20,46.9
PWR6 on L4 "L4-PWR6" (solid, remove dead copper, pour order 368): 19.9,-118.9 19.9,-108 40,-90 60,-108 60,-118.9
$1I75\PWR13 on L4 "L4-$1I75\PWR13" (solid, remove dead copper, pour order 370): -40,-54 -60,-36 -78,-36 -78,-72 -60,-72
VCC on L4 "L4-VCC" (solid, remove dead copper, pour order 377): 20.4,47.1 20.4,65.2 29.45,74.25 29.45,95.6 77.6,95.6 77.6,59.7 54.7,59.7 54.7,47.1
$1I80\PWR24 on L4 "L4-$1I80\PWR24" (solid, remove dead copper, pour order 363): 20.1,46.9 20.1,36 0,18 -20,36 -20,46.9
GND_M3 on L4 "L4-GND_M3" (solid, remove dead copper, pour order 358): 0,18 -20,0 0,-18 20,0 0.141,18
$1I80\PWR20 on L4 "L4-$1I80\PWR20" (solid, remove dead copper, pour order 348): -40,18 -20,0 -40,-18 -60,0
$1I75\PWR14 on L4 "L4-$1I75\PWR14" (solid, remove dead copper, pour order 351): -20,-36 -40,-54 -20,-72 0,-54 -19.859,-36
PWR10 on L4 "L4-PWR10" (solid, remove dead copper, pour order 364): -60.1,-118.9 -60.1,-108 -40,-90 -20,-108 -20,-118.9
$1I70\PWR3 on L4 "L4-$1I70\PWR3" (solid, remove dead copper, pour order 369): 40.038,-54.1 60.038,-72.1 78.038,-72.1 78.038,-36.1 60.038,-36.1
$1I80\PWR22 on L4 "L4-$1I80\PWR22" (solid, remove dead copper, pour order 367): -19.9,46.9 -19.9,36 -40,18 -60,36 -60,46.9
GND on L4 "L4-GND" (solid, remove dead copper, pour order 378): -78,97.5 78,97.5 78,36 -78,36
PWR0 on L4 "L4-PWR0" (solid, remove dead copper, pour order 353): 40,-18 20,-36 40,-54 60,-36 40.141,-18
PWR5 on L4 "L4-PWR5" (solid, remove dead copper, pour order 346): 0,-54 20,-72 0,-90 -20,-72
PWR7 on L4 "L4-PWR7" (solid, remove dead copper, pour order 352): 20,-72 0,-90 20,-108 40,-90 20.141,-72
$1I70\PWR2 on L4 "L4-$1I70\PWR2" (solid, remove dead copper, pour order 374): 40.038,-18.1 60.038,-36.1 78.038,-36.1 78.038,-0.1 60.038,-0.1
PWR8 on L4 "L4-PWR8" (solid, remove dead copper, pour order 365): -20.1,-118.9 -20.1,-108 0,-90 20,-108 20,-118.9
PWR15 on L4 "L4-PWR15" (solid, remove dead copper, pour order 356): 20,-36 0,-54 20,-72 40,-54 20.141,-36
$1I80\PWR19 on L4 "L4-$1I80\PWR19 1" (solid, remove dead copper, pour order 375): -40,-18 -60,0 -78,0 -78,-36 -60,-36
$1I70\PWR4 on L4 "L4-$1I70\PWR4" (solid, remove dead copper, pour order 357): 40,-54 20,-72 40,-90 60,-72 40.141,-54
PWR16 on L4 "L4-PWR16" (solid, remove dead copper, pour order 350): 0,-18 -20,-36 0,-54 20,-36 0.141,-18
PWR0 on L4 "L4-PWR0 1" (solid, remove dead copper, pour order 376): 55.3,59.4 55.3,47.2 60,47.2 60,36 40,18 60.4,0 78,0 78,59.4
$1I80\PWR25 on L4 "L4-$1I80\PWR25" (solid, remove dead copper, pour order 354): 20,36 0,18 20,0 40,18 20.141,36
PWR9 on L4 "L4-PWR9" (solid, remove dead copper, pour order 349): -20,-72 -40,-90 -20,-108 0,-90 -19.859,-72
$1I75\PWR12 on L4 "L4-$1I75\PWR12" (solid, remove dead copper, pour order 355): -40,-54 -60,-72 -40,-90 -20,-72 -39.859,-54
PWR5 on L4 "L4-PWR5 1" (solid, remove dead copper, pour order 371): 40.038,-90.1 60.038,-108.1 78.038,-108.1 78.038,-72.1 60.038,-72.1
$1I80\PWR17 on L4 "L4-$1I80\PWR17" (solid, remove dead copper, pour order 361): 20,0 0,-18 20,-36 40,-18 20.141,0
$1I80\PWR18 on L4 "L4-$1I80\PWR18" (solid, remove dead copper, pour order 359): -20,0 -40,-18 -20,-36 0,-18 -19.859,0
$1I80\PWR23 on L4 "L4-$1I80\PWR23" (solid, remove dead copper, pour order 347): -20,36 0,18 -20,0 -40,18
$1I80\PWR21 on L4 "L4-$1I80\PWR21" (solid, remove dead copper, pour order 372): -40,18 -60,36 -78,36 -78,0 -60,0
PWR11 on L4 "L4-PWR11" (solid, remove dead copper, pour order 373): -40,-90 -60,-72 -78,-72 -78,-108 -60,-108

## Keep-outs
Keep-Out Layer:
  the board outline again, w0.2

## Other copper
L1:
  text "Top" at 18.118,-156.461 h1.35
L2:
  text "Inner 1" at 16.859,-156.236 h1.35
L3:
  text "Inner 2" at 16.569,-156.236 h1.35
L4:
  text "Bottom" at 16.454,-156.236 h1.35
  text "Bottom" at 16.454,-156.236 h1.35
Multi-Layer:
  lines w0.05: -101.975,-192.436 -101.975,-192.286 -101.975,-192.436 ; -101.975,-192.436 -101.825,-192.436 -101.975,-192.436
  lines w0.1: -96.975,-179.936 -91.975,-179.936 93.025,-179.936 ; -96.975,-134.936 -91.975,-134.936 ; -96.975,-93.898 -91.975,-93.898 ; -96.975,-43.898 -91.975,-43.898 ; -96.975,6.102 -91.975,6.102 ; -96.975,56.14 -91.975,56.14 ; -91.975,-174.936 3.025,-174.936 ; -91.975,-169.936 93.025,-169.936 ; -91.975,-164.936 3.025,-164.936 ; -91.975,-159.936 93.025,-159.936 ; -91.975,-154.936 3.025,-154.936 ; -91.975,-149.936 93.025,-149.936 ; -91.975,-144.936 3.025,-144.936 ; -91.975,-139.936 3.025,-139.936 ; -91.975,99.564 -91.975,-187.436 ; -91.725,-187.436 93.025,-187.436 ; -84.225,-179.936 -84.225,-134.936 ; -31.975,-179.936 -31.975,-134.936 ; -16.975,-179.936 -16.975,-134.936 ; -6.975,-179.936 -6.975,-134.936 ; 3.025,-179.936 3.025,-134.936 ; 35.525,-159.936 35.525,-149.936 ; 45.525,-159.936 45.525,-134.936 ; 80.525,-179.936 80.525,-149.936 ; -91.975,-187.436 -91.975,-134.936 ; -91.975,-187.436 93.025,-187.436 ; -91.975,-187.436 -96.975,-187.436 -96.975,99.564 93.025,99.564 93.025,-187.436 ; -91.975,-187.436 93.025,-187.436 ; -91.975,-187.436 93.025,-187.436 ; -91.975,-134.936 93.025,-134.936 93.025,-187.436
  text "Schematic file and SVN revision:" at 4.275,-137.599 h1
  text "Schematic name" at 4.275,-142.413 h1.35
  text "D&D IMI Europe" at 56.116,-144.052 h2.5
  text "Rev" at 4.275,-146.281 h1.35
  text "Scale" at 38.283,-152.376 h1
  text "Size" at 84.854,-152.399 h1
  text "Layer" at 4.199,-152.542 h1
  text "Document type" at 51.006,-152.542 h1
  text "Document type" at 51.006,-152.542 h1
  text "Gerber" at 59.832,-157.081 h1.35
  text "1:1" at 40.188,-157.931 h1.35
  text "A4" at 84.946,-157.931 h1.35
  text "REV" at 84.916,-162.476 h1
  text "Title/DrawingNr" at 4.979,-162.666 h1
  text "73xxxx_PCB-Name" at 35.659,-166.211 h1.35
  text "XX" at 85.049,-166.536 h1.35
  text "Sheet" at 84.321,-171.926 h1
  text "Project" at 4.623,-172.116 h1
  text "YYYY-MM-DD" at -30.631,-172.906 h1.3
  text "XXX" at -13.436,-172.906 h1.3
  text "YYY" at -3.498,-172.906 h1.3
  text "01" at -88.312,-172.936 h1.35
  text "01" at -88.312,-172.936 h1.35
  text "Creation" at -63.656,-172.968 h1.35
  text "Creation" at -63.656,-172.968 h1.35
  text "73xxxx" at 41.56,-175.536 h1.35
  text "Rev." at -89.241,-177.936 h1.35
  text "Date" at -26.356,-177.936 h1.35
  text "Author" at -14.759,-177.936 h1.35
  text "Check" at -4.466,-177.936 h1.35
  text "Modification" at -65.353,-177.968 h1.35
  text "1/1" at 84.949,-178.408 h1.35
  text "Printed copies of this document are uncontrolled and may NOT be current. All information is strictly CONFIDENTIAL." at -91.275,-182.886 h1.05
  text "IMI Group reserves all rights even in the event of industrial property rights." at 16.825,-182.886 h1.05
  text "We reserve all rights of disposal such as copying and passing on to third parties." at -91.375,-185.936 h1.05

## Silkscreen, mask and mechanical layers (free items; w line width, h text height)
26_Silkscreen Top:
  text "Silkscreen Top" at 13.205,-156.493 h1.35
  text "Silkscreen Top" at 13.205,-156.493 h1.35
29_Silkscreen Bottom:
  text "Silkscreen Bottom" at 11.54,-156.268 h1.35
  text "Silkscreen Bottom" at 11.54,-156.268 h1.35
23_Paste Mask Top:
  text "Solder Paste Top" at 11.791,-156.461 h1.35
  text "Solder Paste Top" at 11.791,-156.461 h1.35
22_Paste Mask Bottom:
  text "Solder Paste Bottom" at 10.126,-156.236 h1.35
  text "Solder Paste Bottom" at 10.126,-156.236 h1.35
21_Solder Mask Top:
  text "Solder Mask Top" at 12.109,-156.461 h1.35
  text "Solder Mask Top" at 12.109,-156.461 h1.35
28_Solder Mask Bottom:
  text "Solder Mask Bottom" at 10.444,-156.236 h1.35
  text "Solder Mask Bottom" at 10.444,-156.236 h1.35
Notes:
  text "Assembly Top" at 13.275,-156.461 h1.35
  text "Assembly Top" at 13.275,-156.461 h1.35
Fabrication:
  text "Assembly Bottom" at 11.611,-156.461 h1.35
  text "Assembly Bottom" at 11.611,-156.461 h1.35
24_Drill Drawing:
  text "Drill Drawing" at 14.3,-156.493 h1.35
  text "Drill Drawing" at 14.3,-156.493 h1.35
Mechanical 17:
  lines w0.2: -75.025,-118.486 74.975,-118.486 74.975,46.514 -75.025,46.514 -75.025,-118.486
  text "Fabrication" at 14.828,-159.018 h1.35
  text "Fabrication" at 14.828,-159.018 h1.35

## Text inside footprints (layer, text, board x,y; h text height)
J1: Top Assy "5" at -29.742,78.336 h0.5 r270; Top Assy "1" at -29.742,90.179 h0.5 r270
J2: Top Assy "5" at -24.742,78.336 h0.5 r270; Top Assy "1" at -24.742,90.179 h0.5 r270
J3: Top Assy "5" at -41.275,87.52 h0.5 r180; Top Assy "1" at -38.133,87.52 h0.5 r180
J4: Top Assy "1" at 15.09,88.4 h0.5; Top Assy "4" at 14.971,83.45 h0.5; Top Assy "3" at 26.583,88.4 h0.5; Top Assy "6" at 26.595,83.45 h0.5
J5: Top Assy "1" at -6.91,88.4 h0.5; Top Assy "4" at -7.029,83.45 h0.5; Top Assy "3" at 4.583,88.4 h0.5; Top Assy "6" at 4.595,83.45 h0.5
J6: Top Assy "1" at -63.21,87.558 h0.5 r180
J7: Top Assy "1" at -50.21,87.558 h0.5 r180
J8: Top Assy "1" at 59.09,88.4 h0.5; Top Assy "4" at 58.971,83.45 h0.5; Top Assy "3" at 70.583,88.4 h0.5; Top Assy "6" at 70.595,83.45 h0.5
J9: Top Assy "1" at 37.09,88.4 h0.5; Top Assy "4" at 36.971,83.45 h0.5; Top Assy "3" at 48.583,88.4 h0.5; Top Assy "6" at 48.595,83.45 h0.5